# Altium PCB MainBoard_6_layers.PcbDoc (part 5 of 6) (continued)
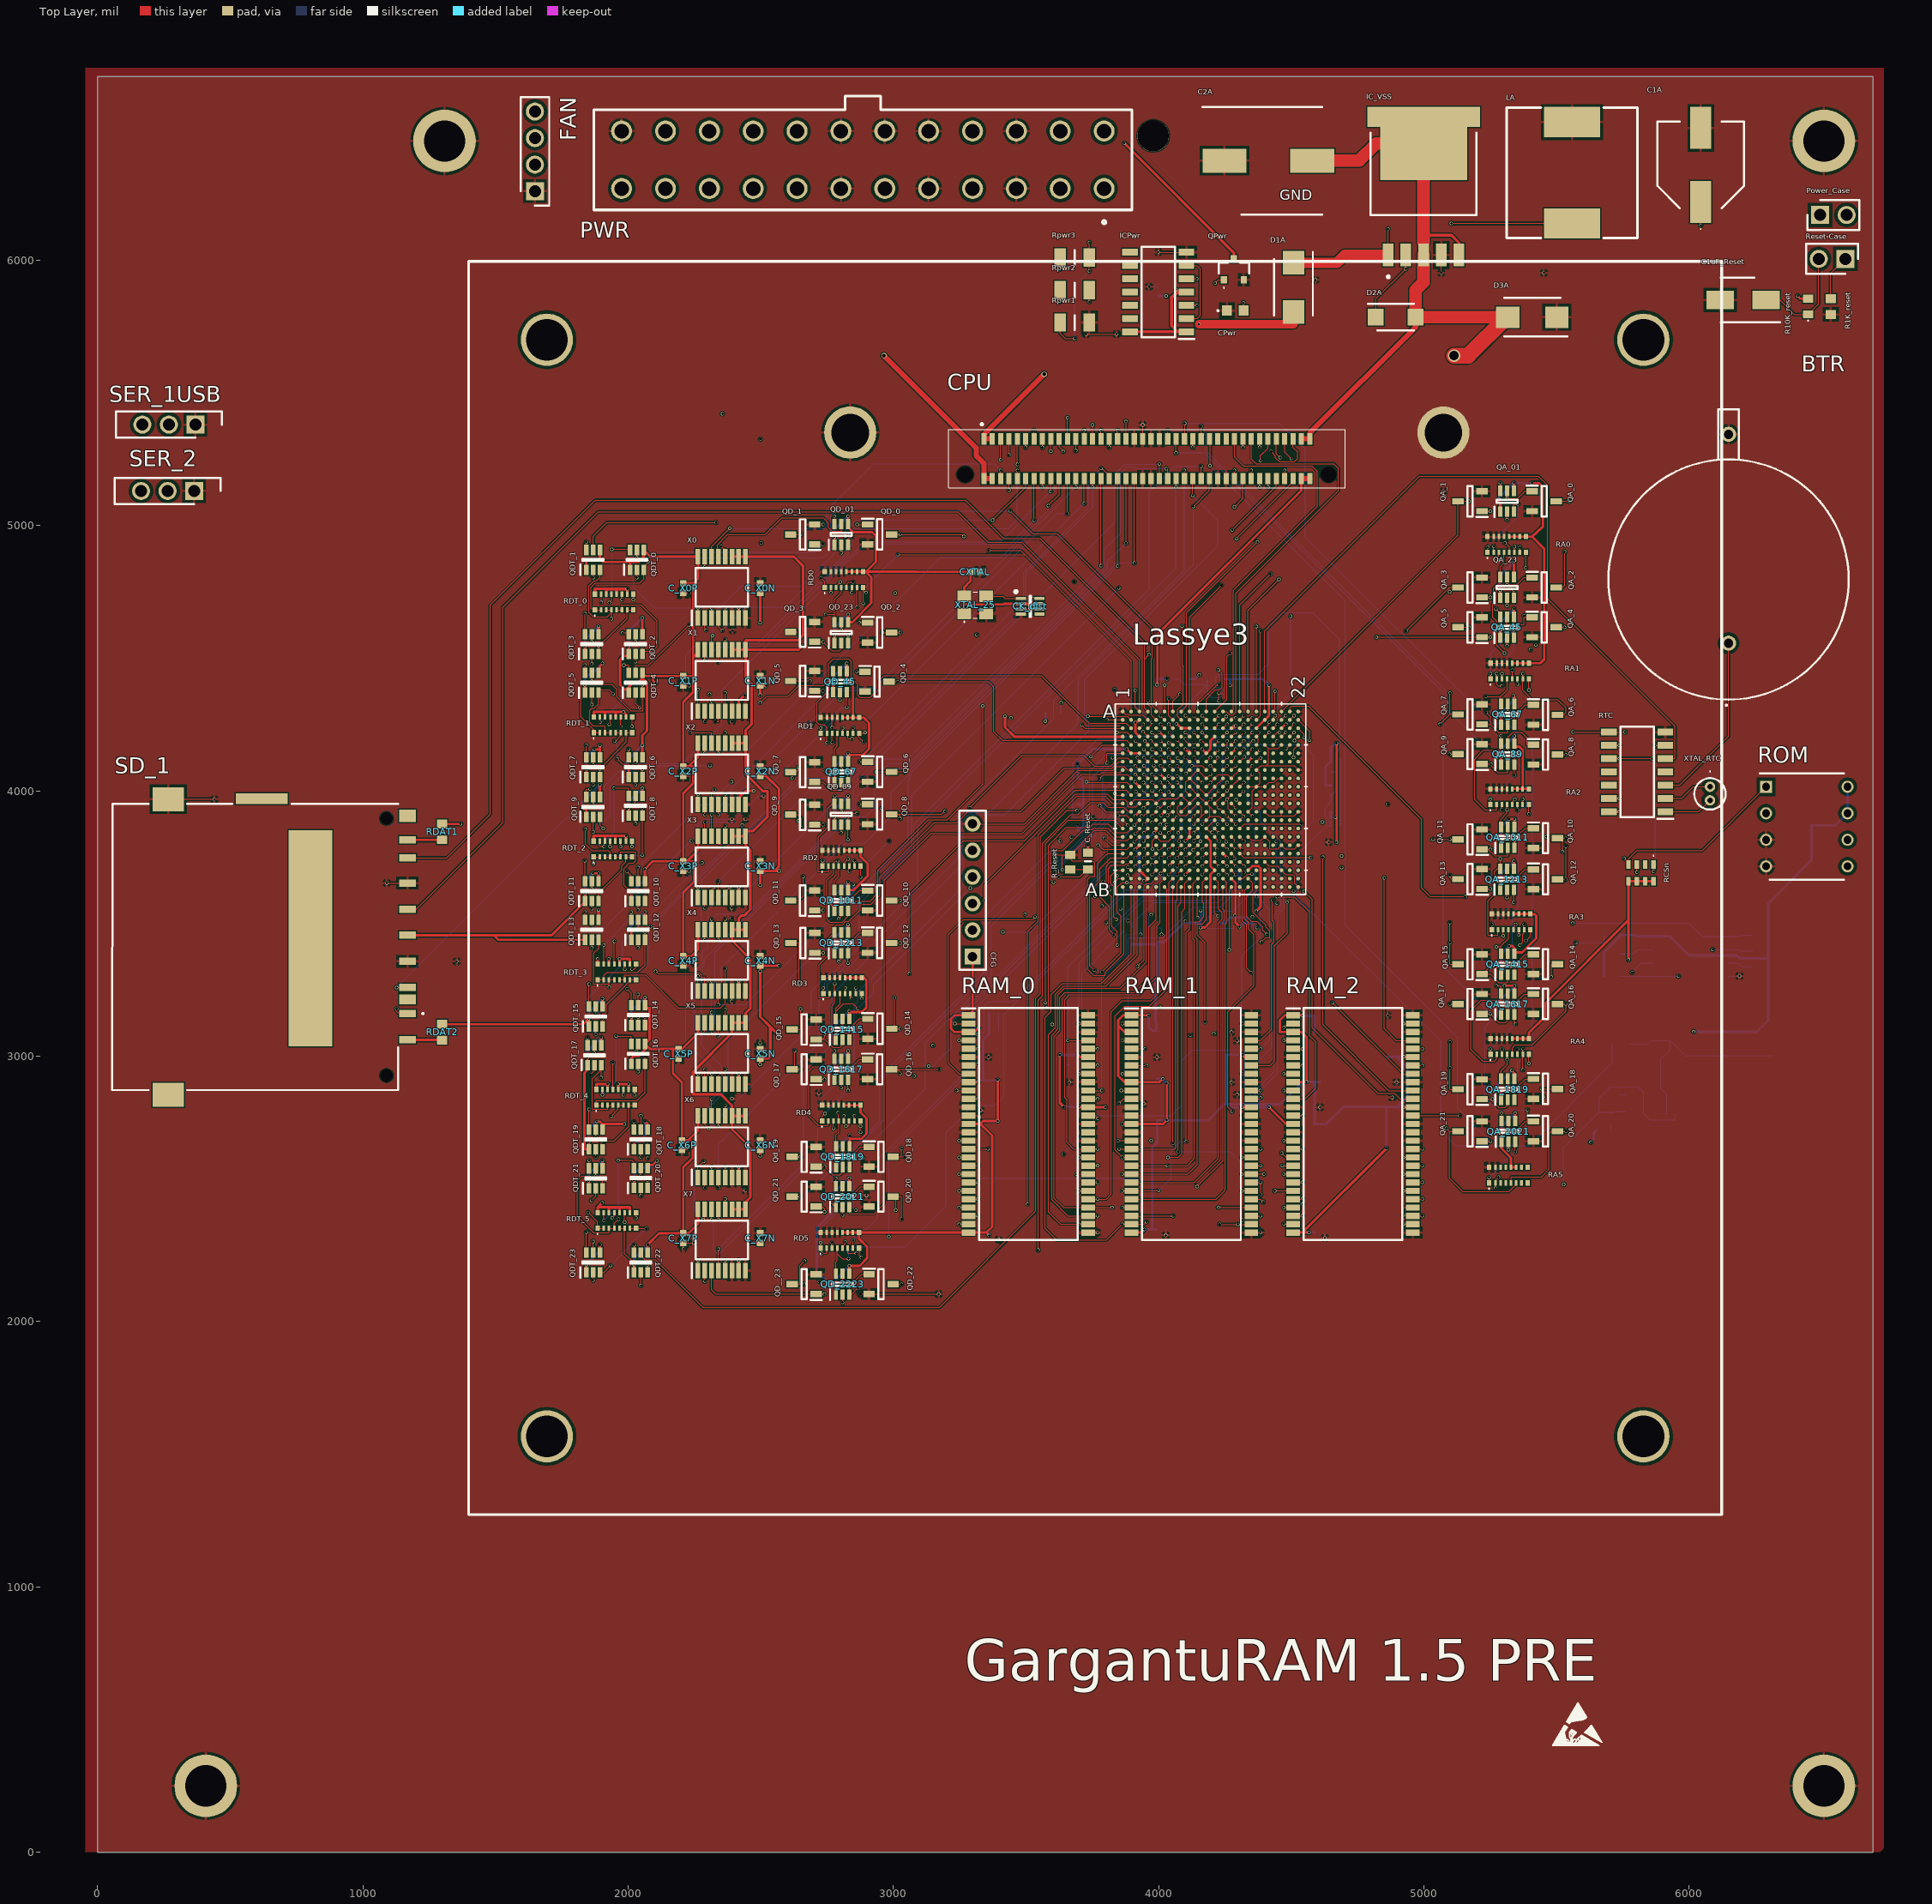
[diagram p0: Top Layer view]
## Nets (pads, with @x,y where several pads share a name; then routed paths per layer and width w, separated by ;. In a path a pad name is that pad's centre, name@x,y a point inside that pad or via, vN(x,y) a via of type N, cw(c..) or ccw(c..) an arc to the next point about the centre after c; other vN are vias at no path point) (continued)
NetLassye3_W3: Lassye3.W3 RAM_0.50 | length 894
  Top Layer w4: RAM_0.50@3734.17,3028.46 v1(3769.91,3028.46) ; v1(3911.91,3717) 3912.01,3717 Lassye3.W3@3927.72,3732.71
  Layer 3 w4: v1(3769.91,3028.46) 3740.01,3058.37 3740.01,3622.68 3783.84,3622.68 3819.36,3658.19 3819.36,3678.31 3865.95,3724.91 3904.01,3724.91 v1(3911.91,3717)
NetLassye3_W4: Lassye3.W4 RAM_0.51 | length 878.1
  Top Layer w4: v1(3657.91,3059.96) RAM_0.51@3734.17,3059.96 ; v1(3943.91,3717) 3951.91,3725 3959.21,3725 Lassye3.W4@3959.21,3732.71
  Layer 4 w4: v1(3857.91,3556) 3857.91,3607.26 3943.91,3693.26 v1(3943.91,3717)
  Bottom Layer w4: v1(3657.91,3059.96) 3657.91,3335.19 3814.82,3492.09 3814.82,3512.91 v1(3857.91,3556)
NetLassye3_W8: Lassye3.W8 RAM_0.53 | length 859.6
  Top Layer w4: v1(3698.91,3123) v1(3698.91,3123) RAM_0.53@3734.17,3122.95 ; v1(4069.91,3717.42) Lassye3.W8@4085.2,3732.71
  Bottom Layer w4: v1(3698.91,3123) 3698.91,3350.25 3860.66,3512 3860.66,3524.94 3938.73,3603 4031.91,3603 4058.01,3629.09 4058.01,3690.09 4069.91,3702 v1(4069.91,3717.42)
NetLassye3_W9: Lassye3.W9 RAM_1.2 | length 1157.1
  Top Layer w4: v1(3862.91,3123) v1(3862.91,3123) RAM_1.2@3898.15,3122.95 ; v1(4100.95,3716.96) Lassye3.W9@4116.69,3732.71
  Layer 2 w4: v1(3843.66,3681.05) 3856.72,3668 3900.91,3668 3912.91,3680 3942.91,3680 3950.94,3671.97 3953.8,3671.97 4006.84,3618.94 4058.67,3618.94 4112.82,3673.08 4112.82,3705.09 v1(4100.95,3716.96)
  Layer 3 w4: v1(3843.66,3681.05) 3843.66,3662.46 3845.91,3660.21 3845.91,3618.38 3842.22,3614.68 3748.01,3614.68 3748.01,3590.87 3784.24,3590.87 3814.82,3560.28 3814.82,3171.09 v1(3862.91,3123)
NetLassye3_W10: Lassye3.W10 RAM_1.4 | length 1338.4
  Top Layer w4: v1(3862.91,3059.96) RAM_1.4@3898.15,3059.96 ; v1(4132.91,3717.43) Lassye3.W10@4148.19,3732.71
  Layer 2 w4: v1(3802.91,3504) 3802.91,3569.52 3781.57,3590.87 3748.01,3590.87 3748.01,3614.68 3927.24,3614.68 4037.91,3504 4078.1,3504 4092.79,3489.31 4116.6,3489.31 4116.6,3499.69 4126.91,3510 4126.91,3711.43 v1(4132.91,3717.43)
  Layer 3 w4: v1(3802.91,3504) 3797.82,3498.91 3797.82,3125.05 v1(3862.91,3059.96)
NetLassye3_W11: Lassye3.W11 RAM_1.5 | length 1409.2
  Top Layer w4: RAM_1.5@3898.15,3028.46 v1(3948.91,3028.46) ; v1(4163.91,3716.94) Lassye3.W11@4179.69,3732.71
  Layer 2 w4: v1(3759.91,3602.77) 3828.14,3602.77 3935.47,3495.44 4070.66,3495.44 4084.79,3481.31 4124.6,3481.31 4124.6,3493.69 4134.91,3504 4134.91,3687.94 v1(4163.91,3716.94)
  Layer 3 w4: v1(3759.91,3602.77) 3788.24,3602.77 3822.82,3568.19 3822.82,3499.09 3948.91,3373 v1(3948.91,3028.46)
NetLassye3_W12: Lassye3.W12 RAM_1.7 | length 2478.3
  Top Layer w4: RAM_1.7@3898.15,2965.47 v1(3954.91,2965.47) ; Lassye3.W12@4211.18,3732.71 v1(4226.91,3717)
  Layer 3 w4: v1(3954.91,2965.47) 3968.91,2951.47 3968.91,2708.81 4260.73,2417 4543.91,2417 4555.57,2428.65 4555.57,2555.35 4510.91,2600 4510.91,3118 4328.91,3300 4328.91,3587.76 4238.52,3678.15 4238.52,3705.39 v1(4226.91,3717)
NetLassye3_W14: Lassye3.W14 RAM_1.8 | length 1173.7
  Top Layer w4: v1(3863.08,2934.17) 3863.08,2933.98 RAM_1.8@3898.15,2933.98 ; Lassye3.W14@4274.17,3732.71 v1(4289.91,3717)
  Bottom Layer w4: v1(3863.08,2934.17) 3885.91,2957 3885.91,3447 4015.91,3447 4130.91,3562 4232.91,3562 4309.91,3639 4309.91,3704 4296.91,3717 v1(4289.91,3717)
NetLassye3_Y1: Lassye3.Y1 RAM_0.13 | length 1585
  Top Layer w4: RAM_0.13@3283.15,2776.5 3316.11,2776.5 3321.55,2771.05 v1(3323.66,2771.05) ; v1(3839.91,3516) 3830.82,3525.09 3830.82,3639.19 3818.82,3651.19 3818.82,3680.12 3839.91,3701.21 Lassye3.Y1@3864.73,3701.21
  Layer 1 w4: v1(3078.66,2926.05) 3144.58,2860.14 3232.74,2860.14 3233.73,2859.15 3235.57,2859.15 v1(3323.66,2771.05)
  Layer 4 w4: v1@3078.81,2925.9 3668.91,3516 v1(3839.91,3516)
NetLassye3_Y6: Lassye3.Y6 RAM_0.42 | length 1216
  Top Layer w4: RAM_0.42@3734.17,2776.5 3760.42,2776.5 v1(3770.91,2766) ; v1(3785.91,3318) 3858.73,3390.81 3858.73,3527.91 3843.91,3542.72 3843.91,3637.59 3861.32,3655 v1(3879.91,3655) ; v1(4006.91,3689) 4008.45,3689 4018.91,3699.46 Lassye3.Y6@4018.91,3701
  Layer 1 w4: v1(3770.91,2766) 3788.96,2766 3838.96,2816 3838.96,3264.95 v1(3785.91,3318)
  Bottom Layer w4: v1(3879.91,3655) 3912.84,3655 3917.84,3650 3967.91,3650 v1(4006.91,3689)
NetLassye3_Y7: Lassye3.Y7 RAM_0.44 | length 1148.1
  Top Layer w4: RAM_0.44@3734.17,2839.49 3769.43,2839.49 v1(3769.91,2839) ; v1(4037.91,3685.42) Lassye3.Y7@4053.7,3701.21
  Layer 3 w4: v1(4037.91,3685.42) 4037.91,3506 4119.91,3424 v1(4119.91,3079)
  Layer 4 w4: v1(3769.91,2839) 3879.91,2839 v1(4119.91,3079)
NetLassye3_Y13: Lassye3.Y13 RAM_0.45 | length 1326.1
  Top Layer w4: RAM_0.45@3734.17,2870.98 v1(3785.91,2870.98) ; Lassye3.Y13@4242.68,3701.21 4258.91,3684.98 v1(4258.91,3683)
  Bottom Layer w4: v1(3785.91,2870.98) 3785.91,3294.19 3876.95,3385.22 3876.95,3458.25 3916.91,3463 3916.91,3515 3981.91,3580 4224.13,3580 4301.91,3657.79 4301.91,3697.05 4272.97,3697.05 v1(4258.91,3683)
NetLassye3_Y14: Lassye3.Y14 RAM_0.47 | length 1200.5
  Top Layer w4: v1(3698.91,2933.98) RAM_0.47@3734.17,2933.98 ; Lassye3.Y14@4274.17,3701.21 4289.91,3685.47 v1(4289.91,3685)
  Bottom Layer w4: v1(3698.91,2933.98) 3710.91,2945.98 3710.91,3313.78 3870.11,3472.98 3870.11,3515.6 3942.51,3588 4192.91,3588 v1(4289.91,3685)
NetPower_Case_1: Power_Case.1 Rpwr1.2 Rpwr3.1 | length 3287.6
  Top Layer w4: Rpwr1.2@3628.54,5766.05 3628.54,5725.37 3647.91,5706 v1(3683.91,5706) ; v1(3738.78,5959.87) Rpwr3.1@3738.78,6011.05 v1(3738.78,6067)
  Layer 1 w4: v1(3738.78,6067) 3843.78,6172 6493.91,6172 6493.91,6171.05 Power_Case.1@6493.66,6171.05
  Bottom Layer w4: v1(3683.91,5706) 3683.91,5905 v1(3738.78,5959.87)
NetQD_22_1: QD_22.1 QD_2223.5 X7.1 | length 757.8
  Top Layer w4: X7.1@2263.35,2192.19 v1(2263.35,2231) ; v1(2720.91,2151) 2808.66,2151 ; QD_2223.5@2808.66,2180.42 2808.66,2151 ; QD_22.1@2908.39,2178.46 2880.37,2178.46 2852.91,2151 2808.66,2151
  Layer 3 w4: v1(2263.35,2231) 2278.35,2216 2655.91,2216 v1(2720.91,2151)
NetQPwr_1: QPwr.1 Rpwr2.2 | length 696.5
  Top Layer w4: v1(3628.54,5844) Rpwr2.2@3628.54,5888.55 ; v1(4213.58,5915) 4225.26,5926.68 QPwr.1@4246.26,5926.68
  Layer 1 w4: v1(3628.54,5844) 3699.54,5915 v1(4213.58,5915)
NetR1K_reset_2: R1K_reset.2 Reset-Case.1 | length 173.3
  Top Layer w4: R1K_reset.2@6533.66,5855.58 6533.66,5951.05 Reset-Case.1@6588.66,6006.05
NetRDAT1_1: RDAT1.1 SD_1.P8 | length 131.2
  Top Layer w4: RDAT1.1@1297.68,3815.54 RDAT1.1@1298.66,3816.53
  Top Layer w9.02: SD_1.P8@1167.87,3815.54 RDAT1.1@1297.68,3815.54
NetRDAT2_1: RDAT2.1 SD_1.P9 | length 131.2
  Top Layer w4: SD_1.P9@1167.87,3062.59 SD_1.P9@1168.93,3061.53
  Top Layer w9.02: SD_1.P9@1168.93,3061.53 RDAT2.1@1298.66,3061.53
NetRTC_1: RTC.1 XTAL_RTC.2 | length 186.3
  Top Layer w4: RTC.1@5910.04,3922.2 6035.99,3922.2 XTAL_RTC.2@6078.66,3964.87
NetRTC_2: RTC.2 XTAL_RTC.1 | length 186.8
  Top Layer w4: RTC.2@5910.04,3972.2 5971.91,3972.2 6015.77,4016.05 XTAL_RTC.1@6078.66,4016.05
PowerSwitch: PWR.8 QPwr.3 | length 1293.7
  Top Layer w9.84: v1(3870.91,6441.5) 4283.66,6028.75 QPwr.3@4283.66,6005.42
  Layer 2 w9.84: PWR.8@3298.31,6487.59 3361.77,6551.05 3833.66,6551.05 3870.91,6513.8 v1(3870.91,6441.5)
R_W: CPU.75 Lassye3.A8 | length 1327.4
  Top Layer w4: Lassye3.A8@4085.2,4299.64 4105.91,4320.35 4105.91,4672 v1(4372.91,4939) ; v1(4423.91,5280) 4423.91,5279.69 4440.66,5262.94 4440.66,5256.25 4455.91,5241 4511.91,5241 4523.91,5253 4523.91,5278 4506.73,5295.18 CPU.75@4506.73,5327.43
  Layer 3 w4: v1(4372.91,4939) 4399.91,4966 4399.91,5256 v1(4423.91,5280)
R_W_Internal: Lassye3.D1 X0.9 X0.10 X0.11 X1.9 X1.10 X1.11 X2.9 X2.10 X2.11 X3.9 X3.10 X3.11 X4.9 X4.10 X4.11 X5.9 X5.10 X5.11 X6.9 X6.10 X6.11 X7.9 X7.10 X7.11 | length 5266.5
  Top Layer w10: X7.11@2391.3,2423.53 X7.10@2416.89,2423.53 X7.9@2442.48,2423.53 2442.48,2450 2460.91,2468.43 2460.91,2656 2391.3,2725.61 X6.11@2391.3,2774.96 ; X3.11@2391.3,3829.25 X3.10@2416.89,3829.25 X3.9@2442.48,3829.25 ; X2.11@2391.3,4180.68 X2.10@2416.89,4180.68 X2.9@2442.48,4180.68 ; X1.11@2391.3,4532.11 X1.10@2416.89,4532.11 X1.9@2442.48,4532.11 ; X0.11@2391.3,4883.53 X0.10@2416.89,4883.53 X0.9@2442.48,4883.53 2442.48,4884 2623.91,4884 2658.91,4849 2658.91,4587 2639.91,4568 2442.48,4568 X1.9@2442.48,4533 ; X6.9@2442.48,2774.96 X6.10@2416.89,2774.96 X6.11@2391.3,2774.96 ; X4.9@2442.48,3477.82 X4.10@2416.89,3477.82 ; v1(2655.91,4546) 2642.91,4533 X1.9@2442.48,4533 ; v1(3420.91,4282) 3420.91,4240 3455.77,4205.15 Lassye3.D1@3864.73,4205.15 ; X6.11@2391.3,2774.96 2391.3,2814.61 2348.91,2857 2244.91,2857 2244.91,2941.61 2391.3,3088 X5.11@2391.3,3126.39 X5.10@2416.89,3126.39 X5.9@2442.48,3126.39 2442.48,3162 2460.91,3180.43 2460.91,3367 2391.3,3436.61 X4.11@2391.3,3477.82 X4.10@2416.89,3477.82 ; X4.10@2416.89,3477.82 2416.89,3520 2427.9,3531.01 2438.61,3531.01 2460.91,3553.31 2460.91,3776.57 2442.48,3795 X3.9@2442.48,3829.25 ; X3.9@2442.48,3829.25 2442.48,3849 2470.91,3849 2525.91,3904 2525.91,3998.71 2509.21,3998.71 2442.48,4065.43 X2.9@2442.48,4180.68 ; X2.9@2442.48,4180.68 2442.48,4229 2464.91,4251.43 2464.91,4405 2442.48,4427.43 X1.9@2442.48,4532.11 ; X1.9@2442.48,4532.11 X1.9@2442.48,4533
  Layer 1 w10: v1(2655.91,4546) 3156.91,4546 v1(3420.91,4282)
RAM_CLK: Lassye3.AA6 RAM_0.38 RAM_1.38 RAM_2.38 | length 3358.7
  Top Layer w4: v1(3769.91,2650.51) RAM_0.38@3734.17,2650.51 3678.91,2650.51 3653.91,2675.51 3653.91,2837 3645.91,2845 3645.91,3213 3664.91,3232 3925.91,3232 3993.91,3300 3993.91,3492 4005.91,3504 4005.91,3653.42 Lassye3.AA6@4022.21,3669.72 ; RAM_1.38@4349.17,2650.51 v1(4384.57,2650.51) ; RAM_2.38@4958.43,2650.51 v1(4993.91,2650.51)
  Layer 1 w4: v1(3769.91,2650.51) 3817.4,2698 ; v1(4384.57,2650.51) 4337.08,2698 3817.4,2698 ; v1(4993.91,2650.51) 4940.43,2704 3823.4,2704 3817.4,2698
RASn: Lassye3.AA7 RAM_0.18 RAM_1.18 RAM_2.18 | length 2565.6
  Top Layer w4: v1(3247.91,2619.02) RAM_0.18@3283.15,2619.02 ; RAM_1.18@3898.15,2619.02 v1(3862.91,2619.02) 3834.85,2647.08 3834.85,3150.93 3871.91,3188 3964.91,3188 4039.06,3262.15 4039.06,3655.08 Lassye3.AA7@4053.7,3669.72 ; v1(4463.93,2635) 4479.91,2619.02 RAM_2.18@4507.4,2619.02
  Layer 2 w4: v1(3862.91,2619.02) 3874.9,2631 4049.91,2631 4053.91,2627 4260.91,2627 4268.91,2635 v1(4463.93,2635)
  Layer 4 w4: v1(3247.91,2619.02) 3261.93,2605 3848.9,2605 v1(3862.91,2619.02)
Reset: CPU.63 Lassye3.A12 | length 1421.6
  Top Layer w4: Lassye3.A12@4211.18,4299.64 4257.91,4346.37 4257.91,4507 v1(4269.91,4519) ; CPU.63@4317.76,5327.43 4317.76,5296.16 v1(4317.91,5296)
  Layer 4 w4: v1(4269.91,4519) 4269.91,4539.44 4554.82,4824.34 4554.82,5281.09 4511.91,5324 4345.91,5324 v1(4317.91,5296)
RESET_N: C_Reset.2 Lassye3.V4 R_Reset.1 | length 581.1
  Top Layer w4: v1(3623.66,3676.05) 3702.64,3676.05 R_Reset.1@3730.71,3704.12 ; C_Reset.2@3666.57,3704.56 3698.91,3704.56 3699.35,3704.12 R_Reset.1@3730.71,3704.12 ; R_Reset.1@3733.66,3704.12 R_Reset.1@3730.71,3704.12 ; v1(3943.91,3748) 3943.91,3748.45 3959.21,3763.75 Lassye3.V4@3959.21,3764.2
  Layer 2 w4: v1(3623.66,3676.05) 3623.66,3714.56 3626,3716.91 3837.82,3716.91 3851.91,3731 3926.91,3731 v1(3943.91,3748)
ROM_CSn: Lassye3.A21 RCSn.4 ROM.1 | length 2463.2
  Top Layer w4: Lassye3.A21@4494.65,4299.64 4494.65,4312 4502.65,4320 4563.91,4320 4990.91,3893 4990.91,3635 5023.91,3602 v1(5155.91,3602) ; v1(5755.42,3746) RCSn.4@5771.42,3730 ; RCSn.4@5771.42,3722.55 RCSn.4@5771.42,3730 ; ROM.1@6289.92,4016.05 6049.87,3776 5803.42,3776 5771.42,3744 RCSn.4@5771.42,3730
  Layer 4 w4: v1(5155.91,3602) 5222.91,3669 5295.91,3669 5299.91,3665 5458.91,3665 5539.91,3746 v1(5755.42,3746)
RTC_CLOCK: Lassye3.R12 RTC.13 | length 1641.4
  Top Layer w4: Lassye3.R12@4211.18,3858.69 v1(4226.91,3843) ; RTC.13@5697.44,3972.2 5736.52,3972.2 v1(5736.72,3972)
  Layer 1 w4: v1(4226.91,3843) 5289.91,3843 5309.91,3823 5328.91,3823 5333.91,3828 v1(5461.91,3828)
  Layer 4 w4: v1(5461.91,3828) 5605.91,3972 v1(5736.72,3972)
RTC_CSn: Lassye3.B21 RCSn.1 RTC.6 | length 2242.9
  Top Layer w4: Lassye3.B21@4494.65,4268.14 v1(4510.51,4284) ; v1(5865.91,3697) RCSn.1@5865.91,3722.55 ; v1(5870.61,4172.2) RTC.6@5910.04,4172.2
  Layer 4 w4: v1(4510.51,4284) 4864.51,3930 5182.91,3930 5508.91,4256 5786.8,4256 v1(5870.61,4172.2)
  Bottom Layer w4: v1(5865.91,3697) 5872.91,3704 5872.91,4169.89 v1(5870.61,4172.2)
RTC_IRQ: Lassye3.A18 RTC.5 | length 2890.2
  Top Layer w4: Lassye3.A18@4400.16,4299.64 4400.16,4603.24 4983.91,5187 5430.91,5187 5465.91,5152 5465.91,4725 5945.91,4245 5945.91,4122.2 RTC.5@5910.04,4122.2
RX_S1: Lassye3.B1 SER_1USB.2 | length 4091
  Top Layer w4: v1(3805.91,4268.14) Lassye3.B1@3864.73,4268.14
  Layer 1 w4: SER_1USB.2@268.66,5381.05 309.61,5422 v1(2354.91,5422)
  Layer 3 w4: v1(2354.91,5422) 2612.91,5422 3725.01,4309.91 3764.14,4309.91 v1(3805.91,4268.14)
RX_S2: Lassye3.C1 SER_2.2 | length 4012.9
  Top Layer w4: v1(3709.91,4249.39) 3722.66,4236.64 Lassye3.C1@3864.73,4236.64
  Layer 4 w4: SER_2.2@263.66,5131.05 313.61,5181 2302.93,5181 2754.93,4729 3217.78,4729 3697.39,4249.39 v1(3709.91,4249.39)
SCLK: Lassye3.A3 ROM.6 RTC.10 SD_1.P5 | length 7603.3
  Top Layer w4: SD_1.P5@1167.87,3554.71 1200.63,3554.71 1526.91,3881 1526.91,4692 1886.91,5052 3242.91,5052 3356.91,4938 3484.91,4938 3927.72,4495.2 Lassye3.A3@3927.72,4299.64 3911.91,4315.44 v1(3911.91,4379) ; RTC.10@5697.44,4122.2 v1@5736.72,4122.2 ; v1(5736.91,4122) v1@5736.72,4122.2 ; v1(5860.91,4122.2) v1@5736.72,4122.2
  Layer 1 w4: v1(3911.91,4379) 4108.91,4379 4130.91,4357 4454.91,4357 4454.91,4506 4481.91,4533 v1(5401.91,4533) ; v1(5860.91,4122.2) 6291.26,4122.2 ROM.6@6597.4,3816.05
  Layer 3 w4: v1(5401.91,4533) 5401.91,4457 v1(5736.91,4122)
SCS: Lassye3.J1
SD_CSn: Lassye3.E1 RCSn.3 SD_1.P1 | length 7198.2
  Top Layer w4: v1(1126.91,3179) 1126.91,3170.01 1135.91,3161.01 SD_1.P1@1167.87,3161.01 ; v1(3743.91,4130) 3787.57,4173.65 Lassye3.E1@3864.73,4173.65 ; v1(5802.91,3694) RCSn.3@5802.91,3722.55
  Layer 3 w4: v1(3825.91,4125) 3867.91,4083 3951.91,4083 3986.91,4118 3986.91,4124 4000.91,4138 4079.91,4138 4088.91,4129 4088.91,4038.73 4239.49,3888.16 4239.49,3870.24 4249.73,3860 4636.91,3860 5330.91,3166 5407.91,3166 5802.91,3561 v1(5802.91,3694)
  Layer 4 w4: v1(1126.91,3179) 1814.01,3866.09 1814.01,4098.09 1857.91,4142 2064.91,4142 2171.91,4249 2389.91,4249 2414.91,4224 2414.91,4028 2507.91,3935 2705.91,3935 2766.91,3996 3024.91,3996 3153.91,4125 ; v1(3743.91,4130) 3158.91,4130 3153.91,4125 ; v1(3825.91,4125) 3153.91,4125
SDRAM_A1: Lassye3.AA1 RAM_0.24 RAM_1.24 RAM_2.24 | length 2961.6
  Top Layer w4: v1(3247.75,2430.04) RAM_0.24@3283.15,2430.04 ; v1(3834.01,3655.28) 3848.44,3669.72 3861.29,3669.72 Lassye3.AA1@3863.01,3668 ; v1(3862.75,2430.04) RAM_1.24@3898.15,2430.04 ; v1(4471.91,2430) v1(4471.91,2430) RAM_2.24@4507.4,2430.04
  Layer 2 w4: v1(3862.75,2430.04) 3956.71,2524 4171.91,2524 4265.91,2430 v1(4471.91,2430)
  Layer 3 w4: v1(3247.75,2430.04) 3305.91,2488.2 3305.91,3069 v1(3318.91,3082)
  Layer 4 w4: v1(3247.75,2430.04) 3785.95,2430.04 3797.91,2442 3850.79,2442 v1(3862.75,2430.04)
  Bottom Layer w4: v1(3318.91,3082) 3306.91,3094 3306.91,3178.88 3773.22,3645.19 3823.92,3645.19 v1(3834.01,3655.28)
SDRAM_A2: Lassye3.AA2 RAM_0.25 RAM_1.25 RAM_2.25 | length 2988.5
  Top Layer w4: RAM_0.25@3283.15,2398.54 v1(3318.91,2398.54) ; v1(3882.94,3683) Lassye3.AA2@3896.22,3669.72 ; RAM_1.25@3898.15,2398.54 v1(3933.55,2398.54) v1(4053.91,2398.54) ; RAM_2.25@4507.4,2398.54 v1@4542.46,2398.54 ; v1(4542.91,2399) v1@4542.46,2398.54 ; v1(4542.91,2443) 4542.46,2399 v1@4542.46,2398.54
  Layer 2 w4: v1(3318.91,2398.54) 3333.37,2413 3919.09,2413 v1(3933.55,2398.54)
  Layer 3 w4: v1(3882.94,3683) 3915.34,3650.6 3915.34,3499.54 3980.91,3433.97 3980.91,2908 4445.91,2443 v1(4542.91,2443) ; v1(4053.91,2398.54) 4335.37,2398.54 4349.91,2384 4527.91,2384 v1(4542.91,2399)
SPI_CLK: EROM.6 Lassye3.W1 | length 2468.1
  Top Layer w4: v1(3843.82,3419) 3843.82,3470.5 3822.82,3491.5 3822.82,3600.76 3794.82,3628.76 3802.82,3636.77 3802.82,3717.91 3817.62,3732.71 Lassye3.W1@3864.73,3732.71
  Layer 4 w4: v1(3843.82,3419) 4291.74,3419 4394.74,3316 v1(5784.91,3316)
  Bottom Layer w4: v1(5784.91,3316) 5821.11,3352.2 EROM.6@5863.66,3352.2
SPI_MISO: EROM.2 Lassye3.V1 R_MISO.1 | length 3113.3
  Top Layer w4: v1(3757.91,3325) 3740.01,3342.91 3740.01,3622.68 3770.7,3653.37 3770.7,3728 3806.91,3764.2 Lassye3.V1@3864.73,3764.2
  Layer 4 w4: v1(3757.91,3325) 3837.91,3245 5931.72,3245 v1(6088.91,3402.2)
  Bottom Layer w4: v1(6088.91,3402.2) EROM.2@6147.13,3402.2 6189.91,3402.2 6194.91,3397.2 R_MISO.1@6238.74,3397.2
SPI_MOSI: EROM.5 Lassye3.V2 R_MOSI.1 | length 2838
  Top Layer w4: v1(3831.91,3458.59) 3814.82,3475.68 3814.82,3564.19 3778.7,3600.31 3778.7,3706.79 3819.91,3748 3880.02,3748 Lassye3.V2@3896.22,3764.2
  Layer 4 w4: v1(3831.91,3458.59) 3846.42,3473.09 5789.02,3473.09 v1(5959.91,3302.2)
  Bottom Layer w4: R_MOSI.1@5738.27,3302.2 EROM.5@5863.66,3302.2 v1(5959.91,3302.2)
SPI_SS: EROM.1 Lassye3.V3 R_CS.1 | length 2611.1
  Top Layer w4: v1(3911.91,3748) 3911.91,3748.4 Lassye3.V3@3927.72,3764.2
  Layer 1 w4: v1(3911.91,3748) 3922.5,3748 3941.5,3729 3951.91,3729 3959.91,3721 3959.91,3675 3967.91,3667 4095.91,3667 4134.91,3628 4134.91,3482 4143.91,3473 5531.91,3473 v1(5560.91,3502)
  Bottom Layer w4: v1(5560.91,3502) 5998.91,3502 6048.72,3452.2 EROM.1@6147.13,3452.2 6189.91,3452.2 6194.91,3457.2 R_CS.1@6239.21,3457.2
SSync: CPU.74 Lassye3.A10 | length 1135.1
  Top Layer w4: Lassye3.A10@4148.19,4299.64 4148.19,4327.78 4221.41,4401 v1(4226.91,4401) ; CPU.74@4475.24,5177.83 v1(4475.24,5209)
  Layer 4 w4: v1(4226.91,4401) 4205.01,4422.91 4205.01,4716.09 4354.91,4866 4354.91,5153 4410.91,5209 v1(4475.24,5209)
StandBy: ICPwr.1 ICPwr.4 ICPwr.14 Power_Case.2 PWR.17 | length 4881.8
  Top Layer w4: 4074.86,5881.05 ICPwr.4@4104.96,5881.05
  Top Layer w11.81: ICPwr.14@3892.36,5731.05 4071.91,5731.05 ; v1(4065.91,5890) 4074.86,5881.05 4048.66,5861.91 4048.66,5754.31 4071.91,5731.05 ; ICPwr.1@4104.96,5731.05 4071.91,5731.05
  Layer 1 w4: v1(4065.91,5890) v1@4068.82,5887.09
  Layer 1 w11.81: PWR.17@2471.54,6271.05 2918.59,5824 3938.91,5824 4004.91,5890 v1(4065.91,5890) ; v1@4068.82,5887.09 6289.7,5887.09 6488.66,6086.05 6508.66,6086.05 Power_Case.2@6593.66,6171.05
TCK: CFG.2 Lassye3.T1 | length 867.7
  Top Layer w4: v1(3603.66,3656.05) 3592.91,3666.8 3592.91,3772.66 3595.26,3775 3637.91,3775 3716.96,3854.04 3748.15,3854.04 3753.01,3858.91 3809.62,3858.91 3841.33,3827.2 Lassye3.T1@3864.73,3827.2
  Layer 1 w4: CFG.2@3298.66,3476.05 3331.97,3476.05 3336.91,3481 3507.91,3481 3603.66,3576.75 v1(3603.66,3656.05)
TDI: CFG.5 Lassye3.U2 | length 655.7
  Top Layer w4: v1(3771.76,3796.05) 3773.66,3796.05 3789.72,3780 3880.52,3780 Lassye3.U2@3896.22,3795.7
  Layer 1 w4: CFG.5@3298.66,3776.05 3361.61,3839 3730.72,3839 3771.76,3797.96 v1(3771.76,3796.05)
TDO: CFG.3 Lassye3.T3 | length 733.1
  Top Layer w4: v1(3908.52,3808) Lassye3.T3@3927.72,3827.2
  Layer 2 w4: CFG.3@3298.66,3576.05 3494.61,3772 3684.91,3772 3720.91,3808 v1(3908.52,3808)
Test_N: Lassye3.F1 Rk.4 | length 1316.6
  Top Layer w4: v1(3804.91,4106) 3804.91,4141.16 3805.91,4142.16 Lassye3.F1@3864.73,4142.16
  Layer 2 w4: v1(3751.91,3902) 3794.91,3859 4078.91,3859 4109.91,3828 4163.91,3828 4183.91,3808 4183.91,3540.16 4132.83,3489.07 4132.83,3473.09 4024,3473.09 v1(4010.91,3460)
  Bottom Layer w4: v1(3751.91,3902) 3751.91,4053 v1(3804.91,4106) ; Rk.4@3995.16,3485.19 4010.91,3485.19 v1(4010.91,3460)
TMS: CFG.4 Lassye3.U1 | length 790.3
  Top Layer w4: v1(3795.57,3822) 3821.87,3795.7 Lassye3.U1@3864.73,3795.7
  Layer 1 w4: CFG.4@3298.66,3676.05 3263.13,3711.58 3263.13,3803.22 3272.91,3813 3298.91,3813 3341.91,3856 3761.57,3856 v1(3795.57,3822)
TX_S1: Lassye3.B2 SER_1USB.3 | length 4192.7
  Top Layer w4: v1(3732.91,4282) 3881.75,4282 3895.61,4268.14 Lassye3.B2@3896.22,4268.14
  Layer 1 w4: SER_1USB.3@168.66,5381.05 223.66,5326.05 v1(2498.66,5326.05)
  Layer 3 w4: v1(2498.66,5326.05) 2589.82,5326.05 2594.82,5331.05 2683.86,5331.05 v1(3732.91,4282)
TX_S2: Lassye3.C2 SER_2.3 | length 4425.6
  Top Layer w4: v1(2497.91,4333) 2522.91,4358 2603.91,4358 2643.91,4398 2735.91,4398 2754.91,4417 2754.91,4480 2772.91,4498 2831.91,4498 2840.91,4489 2840.91,4426 2864.91,4402 2864.91,4360 2872.91,4352 2912.91,4352 2944.91,4384 2944.91,4416 2963.91,4435 3556.91,4435 3736.91,4255 3877.87,4255 Lassye3.C2@3896.22,4236.64
  Layer 1 w4: SER_2.3@163.66,5131.05 832.72,4462 2368.91,4462 v1(2497.91,4333)
VCC_1V2: C_VCC0.2 C_VCC1.2 C_VCC2.2 C_VCC3.2 C_VCC4.2 C_VCC5.2 C_VCC6.2 C_VCC7.2 C_Vcc8.2 L_INT.2 Lassye3.H10 Lassye3.J9 Lassye3.J11 Lassye3.J13 Lassye3.J15 Lassye3.K10 Lassye3.K12 Lassye3.K14 Lassye3.L9 Lassye3.L11 Lassye3.L13 Lassye3.M8 Lassye3.M10 Lassye3.M12 Lassye3.M14 Lassye3.N9 Lassye3.N11 Lassye3.N13 Lassye3.P10 Lassye3.P12 Lassye3.P14 Lassye3.R11 | length 7722.7
  Top Layer w4: Lassye3.M8@4085.2,3953.18 4071.91,3939.9 4071.91,3916 4079.91,3908 4103.01,3908 Lassye3.N9@4116.69,3921.68 4116.69,3922.46 4147.41,3953.18 Lassye3.M10@4148.19,3953.18 4161.91,3939.46 4161.91,3904.19 ; Lassye3.L9@4116.69,3984.68 4102.91,3998.46 4102.91,4033.89 Lassye3.J9@4116.69,4047.67 ; v1(4132.44,3874.44) Lassye3.P10@4148.19,3890.19 4161.91,3904.19 ; Lassye3.N11@4179.69,3921.68 4179.41,3921.68 4161.91,3904.19 ; v1(4195.43,4063.42) Lassye3.J11@4179.69,4047.67 4163.94,4063.42 Lassye3.H10@4148.19,4079.16 Lassye3.J9@4116.69,4047.67 ; Lassye3.P12@4211.18,3890.19 4210.41,3890.19 4179.69,3859.46 Lassye3.R11@4179.69,3858.69 4192.38,3846 ; Lassye3.J13@4242.68,4047.67 Lassye3.K12@4211.18,4016.17 Lassye3.L11@4179.69,3984.68 Lassye3.K10@4148.19,4016.17 4134.91,4029.45 Lassye3.J9@4116.69,4047.67 ; v1(4258.91,3905) 4256.91,3907 v1@4256.6,3907 ; Lassye3.M14@4274.17,3953.18 v1(4289.92,3937.43) ; v1(4289.92,3874.44) Lassye3.P14@4274.17,3890.19 ; 4192.38,3846 4198.57,3844.55 v1(4200.91,3844) 4198.91,3846 4192.38,3846 ; Lassye3.N13@4242.68,3921.68 4272.91,3891.45 4274.17,3891.45 Lassye3.P14@4274.17,3890.19 ; Lassye3.N13@4242.68,3921.68 4242.68,3920.92 v1@4256.6,3907 ; Lassye3.N13@4242.68,3921.68 v1(4226.93,3937.43) Lassye3.M12@4211.18,3953.18 Lassye3.L13@4242.68,3984.68 v1(4258.43,4000.42) Lassye3.K14@4274.17,4016.17 ; v1@4256.6,3907 4273.41,3890.19 Lassye3.P14@4274.17,3890.19 ; Lassye3.K14@4274.17,4016.17 4304.91,4046.91 4305.67,4046.91 Lassye3.J15@4305.67,4047.67 4305.41,4047.67 4274.17,4016.43 Lassye3.K14@4274.17,4016.17
  Layer 1 w4: v1(4226.93,3937.43) v1(4289.92,3937.43)
  Layer 3 w4: v1(4195.43,4063.42) v1(4258.43,4000.42) ; v1(4289.92,3874.44) 4298.48,3883 4432.65,3883 4437.61,3887.96 4571.79,3887.96 4576.74,3883 v1(4616.91,3883)
  Layer 4 w4: v1(4200.91,3844) 4200.91,3872 4220.91,3892 4245.91,3892 v1(4258.91,3905)
  Bottom Layer w4: C_VCC5.2@3694.88,3900.87 3676.91,3900.87 3676.91,3998 3694.88,3998 C_VCC4.2@3694.88,3998.37 3676.91,3998.37 3676.91,4102 3771.01,4196.09 3867.82,4196.09 3878.73,4207 4047.91,4207 4056.01,4215.09 4056.01,4274.84 4184.16,4403 ; C_VCC3.2@4056.66,4422.21 4076.7,4422.21 4095.91,4403 4184.16,4403 ; v1(4132.44,3874.44) 4148.19,3890.19 4324.91,3890.19 ; C_VCC2.2@4184.16,4422.21 4184.16,4403 ; v1(4200.91,3844) 4200.91,3872 4218.91,3890 4324.91,3890 4363.91,3851 4363.91,3631 4279.91,3547 4207.91,3547 4184.26,3523.35 C_VCC1.2@4184.26,3501.22 4183.91,3501.22 4183.91,3483 4283.36,3483 C_VCC0.2@4283.36,3501.22 ; v1(4616.91,3883) 4649.8,3883 ; C_Vcc8.2@4649.8,4073 4667.91,4073 ; L_INT.2@5711.18,3047.2 5711.18,2977.27 5397.91,2664 5119.91,2664 5063.91,2720 5063.91,3057 4520.91,3600 4520.91,3758 4632.91,3870 C_VCC7.2@4649.8,3870 4649.8,3883 ; 4184.16,4403 4184.16,4366.75 4198.91,4352 4230.91,4352 4238.91,4360 4238.91,4376 4225.91,4389 4215.01,4389 4215.01,4426.12 4228.91,4440.03 4374.94,4440.03 4414.91,4480 4414.91,4620 4466.91,4672 4580.91,4672 4682.91,4570 4682.91,4158 4667.91,4143 4667.91,4073 ; 4649.8,3883 4626.91,3905.89 4626.91,3936.11 4649.8,3959 C_VCC6.2@4649.8,3974 4649.8,3991 4658.91,3991 4667.91,4000 4667.91,4073
VCCA_PLL: C_PLL.1 C_PLL_A.1 FB_VCCA.2 Lassye3.D5 Lassye3.D17 Lassye3.E17 Lassye3.N15 Lassye3.P15 Lassye3.W5 | length 4677.6
  Top Layer w4: v1(3974.91,3722) 3980,3722 Lassye3.W5@3990.71,3732.71 ; v1(3974.91,4220.94) Lassye3.D5@3990.71,4205.15 ; Lassye3.P15@4305.67,3890.19 v1(4319.91,3904.43) 4319.91,3905.94 Lassye3.N15@4305.67,3920.18 ; Lassye3.N15@4305.67,3921.68 Lassye3.N15@4305.67,3920.18 ; 4311.88,3913.97 Lassye3.N15@4305.67,3920.18 ; Lassye3.E17@4368.66,4173.65 4375.91,4180.9 4375.91,4197.9 Lassye3.D17@4368.66,4205.15 4376.91,4213.4 v1(4376.91,4220)
  Layer 3 w4: v1(3974.91,3722) 4018.91,3722 4028.91,3732 4143.91,3732 4151.91,3740 4151.91,3759.91 4123.81,3759.91 4117.91,3765.81 4117.91,3784 4125.91,3792 4230.52,3792 4246.52,3776 4246.52,3705 4263.91,3695 4277.91,3681 4277.91,3669.84 4950.91,2996.84 4950.91,2795 5228.91,2517 v1(5526.91,2517) ; v1(3974.91,4220.94) 3986.97,4233 4144.82,4233 4144.82,4216 4155.82,4205 4231.91,4205 4240.91,4196 4240.91,4152 4248.91,4144 4321.35,4144 ; v1(4319.91,3904.43) 4305.35,3919 4305.35,4128 4321.35,4144 ; v1(4376.91,4220) 4361.91,4205 4350.91,4205 4337.91,4192 4337.91,4152 4329.91,4144 4321.35,4144
  Layer 4 w4: v1(3974.91,3722) 3987.91,3735 3987.91,3752 4025.23,3789.32 4025.23,3800.91 4054.32,3830 4054.32,3859 4114.32,3919 4306.91,3919 v1@4319.91,3906
  Bottom Layer w4: v1(5526.91,2517) 5526.91,2655.54 5660.46,2789.09 ; C_PLL_A.1@5763.66,2792.2 5722.02,2792.2 5718.91,2789.09 C_PLL.1@5678.66,2789.09 5660.46,2789.09 ; FB_VCCA.2@5951.38,2782.2 5948.42,2779.24 5948.42,2763.4 5946.08,2761.05 5851.86,2761.05 5828.91,2784 5828.91,2864 5807.91,2885 5702.34,2885 5660.46,2843.12 5660.46,2789.09